# Allegro board Try it by yourself - iMX6Rex module - DIFF Pair activities.brd (continued)
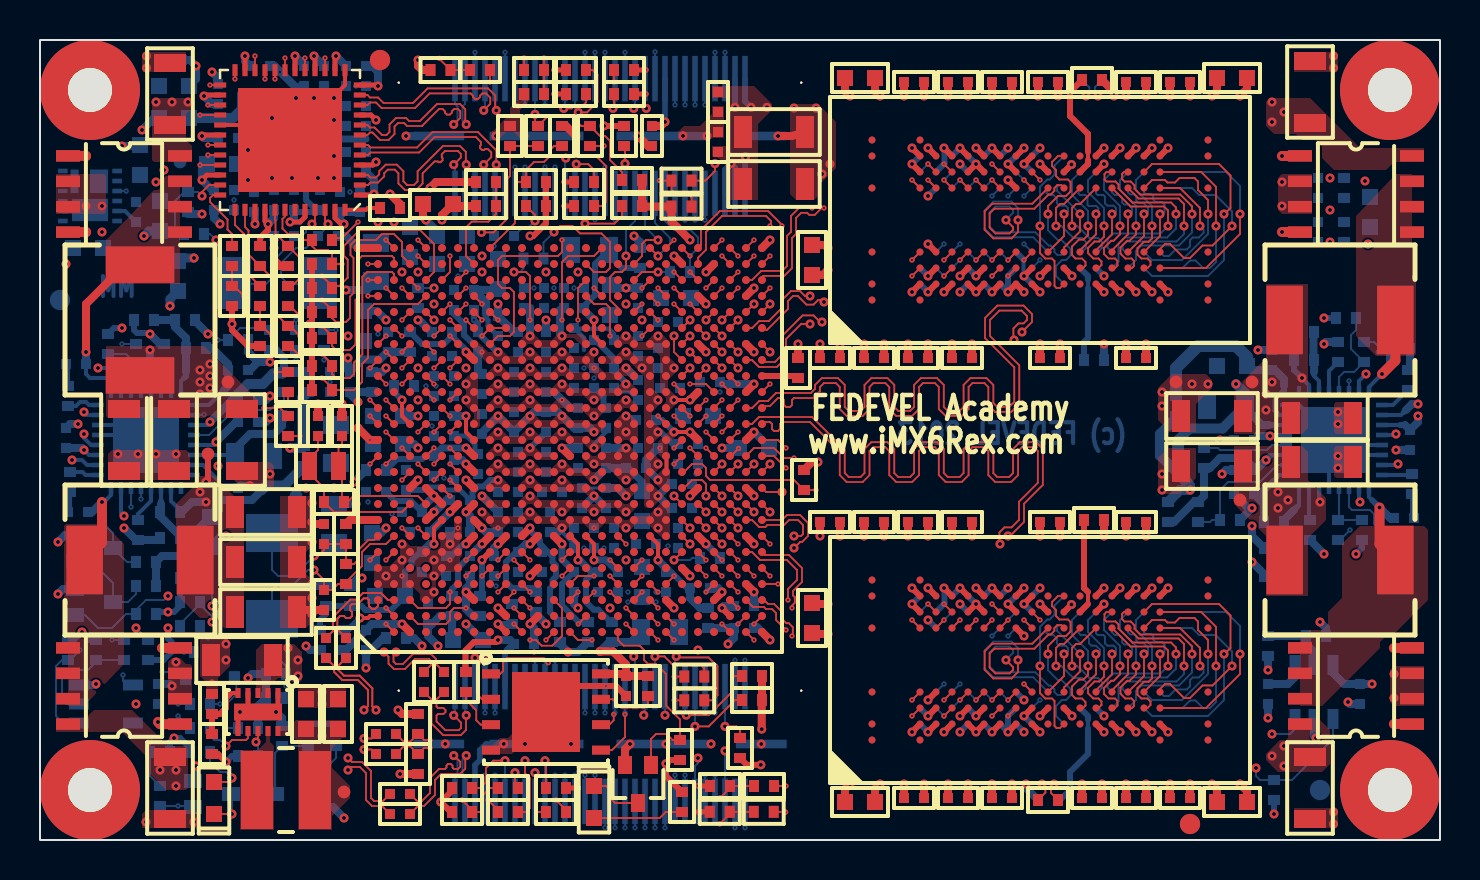
[diagram p0: board, top side]
## Routing (per net, layer and track width the routed paths; a pad name or vN(x,y) marks a point on that pad's centre or on a via; arc(x,y) is an arc through that point) (continued)
DRAM_A10: length 73.3
  TOP w0.093: U4.L7 51.2,31.8 51,31.8 50.8,31.6 v1(50.8,30.7) ; U1.AA15 v2(33.3,22) ; v1(50.8,8.7) 50.8,9.6 51,9.8 51.2,9.8 U2.L7
  L2 w0.1: v3(33,22.3) v2(33.3,22)
  L3 w0.08: v3(33,22.3) 33.7,23 33.98,23 34.4,22.59 34.7,22.59 35.51,23.4 48.7,23.4 49.1,23 49.1,21.9 48.95,21.75 48.7,21.75 48.55,21.9 48.55,22.65 48.4,22.8 48.15,22.8 48,22.65 48,21.9 47.85,21.75 47.6,21.75 47.45,21.9 47.45,22.65 47.3,22.8 45.9,22.8 45.7,22.6 45.7,22.2 45.9,22 v4(46.4,22)
  L10 w0.08: v1(50.8,30.7) 50.8,30.45 52.27,28.99 52.27,27.13 50.37,25.24 50.37,24.64 50.16,24.43 49.81,24.43 48.58,23.2 46.8,23.2 46.6,23 46.6,22.6 46.4,22.4 45.88,22.4 45.5,22.02 45.5,20.1 45.65,19.95 45.95,19.95 46.1,20.1 46.1,21.8 46.3,22 v4(46.4,22) 46.5,22 46.7,21.8 46.7,19.9 46.12,19.33 46.12,18.93 46.55,18.5 46.55,16.47 47.02,16 49.02,16 49.57,15.46 49.57,15.1 49.84,14.83 50.28,14.83 50.68,14.43 50.82,14.43 51.97,13.28 51.97,12.23 52.24,11.96 52.24,11.04 50.8,9.6 v1(50.8,8.7)
  BOTTOM w0.093: v1(50.8,8.7) 51.07,8.7 51.67,8.1 52.1,8.1 52.3,7.9 52.3,7.6 52.1,7.4 U3.L7 ; v1(50.8,30.7) 51.07,30.7 51.67,30.1 52.1,30.1 52.3,29.9 52.3,29.6 52.1,29.4 U5.L7
DRAM_A11: length 74.6
  TOP w0.093: U2.R7 55.6,11 56.25,11 56.37,10.88 56.75,10.88 56.97,11.1 57.72,11.1 57.9,10.93 57.9,10.5 58.4,10 v1(58.4,9.3) ; v1(58.4,31.3) 58.4,32 57.9,32.5 57.9,32.93 57.72,33.1 56.97,33.1 56.75,32.88 56.37,32.88 56.25,33 55.6,33 U4.R7 ; U1.AC12 34.52,19.18 v2(34.92,19.58)
  L2 w0.1: v2(34.92,19.58) v3(35.22,19.28)
  L3 w0.08: v3(35.22,19.28) 34.84,19.28 34.52,18.96 34.52,18.64 34.74,18.43 35.86,18.43 36.12,18.69 36.12,19.13 36.85,19.85 38.81,19.85 40.91,17.75 44.39,17.75 44.51,17.87 45.77,17.87 46.14,17.5 51.18,17.5 52.68,19 54.17,19 54.74,19.58 55.57,19.58 55.77,19.78 57.07,19.78 57.37,20.08 58.37,20.08 58.52,20.23 58.52,20.48 58.37,20.63 58.22,20.63 v4(58.1,20.5)
  L10 w0.08: v1(58.4,9.3) 58.4,10 59.47,11.08 59.47,18.46 59.26,18.68 58.92,18.68 58.1,19.5 v4(58.1,20.5) 58.1,20.9 58.3,21.1 58.3,22.17 58.77,22.64 58.77,22.96 58.37,23.37 58.37,23.7 59.8,25.13 59.8,29.1 58.4,30.5 v1(58.4,31.3)
  BOTTOM w0.093: v1(58.4,31.3) 58.4,30.3 57.1,29 55.6,29 U5.R7 ; U3.R7 55.6,7 57.1,7 58.4,8.3 v1(58.4,9.3)
DRAM_A12: length 74.1
  TOP w0.093: v2(37.7,19.1) 37.2,19.1 36.7,19.6 35.7,19.6 U1.AD12 ; U4.N7 54.52,31.68 56.2,31.68 56.4,31.48 v1(56.4,30.7) ; U2.N7 54.52,9.68 56.2,9.68 56.4,9.48 v1(56.4,8.7)
  L2 w0.1: v2(37.7,19.1) v3(38,18.8)
  L3 w0.08: v3(38,18.8) 38,18.4 38.32,18.08 39.1,18.08 39.28,17.9 39.28,17.63 39.49,17.41 39.95,17.41 40.61,16.75 44.52,16.75 44.84,17.08 45.44,17.08 46.01,16.5 55.1,16.5 55.3,16.7 55.3,16.9 55.2,17 55.2,17.2 55.3,17.3 55.3,17.65 55.15,17.8 54.95,17.8 54.8,17.95 54.8,18.9 55.07,19.18 55.66,19.18 55.93,18.9 56.9,18.9 57.05,19.05 57.05,19.3 56.9,19.45 56.05,19.45 v4(56,19.4)
  L10 w0.08: v1(56.4,8.7) 56.37,8.73 56.37,9.88 58.2,11.7 58.2,16 58,16.2 58,16.4 58.2,16.6 58.2,17.34 57.66,17.87 57.19,17.87 56.87,18.2 56.53,18.2 56.26,17.93 55.87,17.93 55.72,18.08 55.72,18.46 55.94,18.68 56.27,18.68 56.4,18.8 56.4,19.1 56.1,19.4 v4(56,19.4) 55.8,19.4 54.52,20.68 54.52,21.73 58.55,25.75 58.55,28.45 56.4,30.6 v1(56.4,30.7)
  BOTTOM w0.093: U5.N7 53.37,29.63 53.37,30.05 53.65,30.33 56.02,30.33 v1(56.4,30.7) ; v1(56.4,8.7) 56.02,8.33 53.65,8.33 53.37,8.05 53.37,7.63 U3.N7
DRAM_A13: length 73.5
  TOP w0.093: U1.AC17 v2(34.9,22.8) ; U2.T3 56,7.55 56.25,7.8 56.5,7.8 57.2,7.1 57.5,7.1 58.12,7.73 58.62,7.73 v1(59.6,8.7) ; v1(59.6,30.7) 58.62,29.73 58.12,29.73 57.5,29.1 57.2,29.1 56.5,29.8 56.25,29.8 56,29.55 U4.T3
  L2 w0.1: v2(34.9,22.8) v3(35.2,22.5)
  L3 w0.08: v4(59.8,20) 59.8,21.6 59.4,22 57.8,22 57.02,22.78 55.94,22.78 55.5,22.33 55.5,21.07 55.06,20.63 54.74,20.63 54.37,21 52.9,21 52.8,20.9 51.48,20.9 51.06,20.48 49.26,20.48 49.16,20.38 47.43,20.38 46.7,21.1 44.57,21.1 44.22,21.45 40.75,21.45 39.6,22.6 36.03,22.6 35.86,22.43 35.27,22.43 v3(35.2,22.5)
  L10 w0.08: v1(59.6,30.7) 60.55,29.75 60.55,24.73 60.27,24.46 60.27,23.83 60.5,23.6 60.5,21.2 60.3,21 60,21 59.8,20.8 v4(59.8,20) 59.8,19.43 60.22,19 60.22,10.43 59.6,9.8 v1(59.6,8.7)
  BOTTOM w0.093: v1(59.6,8.7) 59.6,9.43 58.78,10.25 57.95,10.25 57.6,10.6 U3.T3 ; U5.T3 57.6,32.6 57.95,32.25 58.78,32.25 59.6,31.43 v1(59.6,30.7)
DRAM_A14: length 69.7
  TOP w0.093: v1(58,8.7) 58,9.6 57,10.6 U2.T7 ; v1(58,30.7) 58,31.6 57,32.6 U4.T7 ; v2(32.5,19.6) U1.AA12
  L2 w0.1: v2(32.5,19.6) v3(32.8,19.3)
  L3 w0.08: v3(32.8,19.3) 32.7,19.2 32.7,17.53 32.87,17.36 32.87,16.23 33.07,16.03 36.06,16.03 36.26,15.83 36.74,15.83 36.91,16 55.43,16 56.67,17.25 56.67,17.7 57,18.03 57,18.6 57.25,18.85 57.25,19.25 v4(57.7,19.7)
  L10 w0.08: v1(58,30.7) 58,30.55 59.55,29 59.55,25.27 58,23.72 58,21.2 57.7,20.9 v4(57.7,19.7) 57.55,19.55 57.55,19.35 57.9,19 58.2,19 58.7,18.5 58.7,18.17 59.2,17.67 59.2,11.28 58,10.08 v1(58,8.7)
  BOTTOM w0.093: U5.T7 56.2,29.2 56.45,29.2 56.77,29.53 57.34,29.53 57.5,29.69 57.5,30 57.63,30.13 57.94,30.13 58.17,30.36 58.17,30.52 v1(58,30.7) ; v1(58,8.7) 58.17,8.53 58.17,8.36 57.94,8.13 57.63,8.13 57.5,8 57.5,7.69 57.34,7.53 56.77,7.53 56.45,7.2 56.2,7.2 U3.T7
DRAM_A15: length 71.4
  TOP w0.093: v2(31.7,18.8) U1.Y12 ; U4.M7 52,31.8 51.8,31.8 51.6,31.6 v1(51.6,30.7) ; U2.M7 52,9.8 51.8,9.8 51.6,9.6 v1(51.6,8.7)
  L2 w0.1: v2(31.7,18.8) v3(32,19.1)
  L3 w0.08: v4(47.2,18.1) 47.07,17.98 46.24,17.98 45.91,18.3 44.37,18.3 44.32,18.25 41.1,18.25 39,20.35 36.47,20.35 35.89,19.78 35.44,19.78 34.61,20.61 34.19,20.61 33.99,20.4 33.5,20.4 33.31,20.22 33.31,19.82 33.1,19.6 32.63,19.6 32.43,19.4 32.43,18.1 32.1,17.77 32.1,16.9 31.9,16.7 31.5,16.7 31.3,16.9 31.3,17.4 31.1,17.6 30.7,17.6 30.5,17.4 30.5,16.95 30.35,16.8 30.05,16.8 29.9,16.95 29.9,18 30.3,18.4 31.3,18.4 31.5,18.6 31.5,18.9 31.7,19.1 v3(32,19.1)
  L10 w0.08: v1(51.6,30.7) 51.6,30.36 52.8,29.16 52.8,26.98 51.37,25.56 51.37,24.59 51.21,24.43 50.72,24.43 50.32,24.03 50.14,24.03 48.82,22.7 47.75,22.7 47.3,22.25 47.3,19.55 47,19.25 47,18.3 v4(47.2,18.1) 47.5,18.1 47.6,18.2 47.6,19.1 47.75,19.25 48,19.25 48.15,19.1 48.15,17.15 48,17 47.8,17 47.65,16.85 47.65,16.65 47.8,16.5 49.57,16.5 50.62,15.45 50.62,15.04 50.84,14.83 51.1,14.83 52.54,13.39 52.54,12.29 52.82,12 52.82,10.82 51.6,9.6 v1(51.6,8.7)
  BOTTOM w0.093: U5.M7 52.9,29.4 53.1,29.6 53.1,29.9 52.9,30.1 52.47,30.1 51.87,30.7 v1(51.6,30.7) ; U3.M7 52.9,7.4 53.1,7.6 53.1,7.9 52.9,8.1 52.47,8.1 51.87,8.7 v1(51.6,8.7)
DRAM_CAS_B: length 70.7
  TOP w0.093: v1(52,31.3) 52,30.43 51.2,29.63 U4.K3 ; U1.AE16 v2(36.5,22.8) ; U2.K3 51.2,7.63 52,8.43 v1(52,9.3)
  L2 w0.1: v3(36.2,23.1) v2(36.5,22.8)
  L3 w0.08: v3(36.2,23.1) 36.45,23.1 36.7,22.85 36.95,22.85 37.25,23.15 37.5,23.15 37.8,22.85 38.05,22.85 38.35,23.15 38.6,23.15 38.9,22.85 39.15,22.85 39.45,23.15 39.7,23.15 39.85,23 39.85,22.65 40,22.5 40.25,22.5 40.4,22.65 40.4,23 40.55,23.15 40.8,23.15 40.95,23 40.95,21.8 41.1,21.65 41.35,21.65 41.5,21.8 41.5,23 41.65,23.15 41.9,23.15 42.05,23 42.05,21.8 42.2,21.65 42.45,21.65 42.6,21.8 42.6,23 42.75,23.15 43,23.15 43.15,23 43.15,21.8 43.3,21.65 43.55,21.65 43.7,21.8 43.7,23 43.85,23.15 44.1,23.15 44.25,23 44.25,22.05 44.4,21.9 44.65,21.9 44.8,22.05 44.8,23 44.95,23.15 45.2,23.15 45.35,23 45.35,21.78 45.5,21.63 47.37,21.63 47.5,21.5 48.7,21.5 48.85,21.35 48.85,21.05 48.7,20.9 47.8,20.9 v4(47.7,21)
  L10 w0.08: v1(52,9.3) 52,9.6 53.57,11.17 53.57,11.96 53.33,12.2 53.07,12.2 52.82,12.44 52.82,13.45 51.37,14.9 51.37,15.36 51.16,15.58 50.85,15.58 49.68,16.75 48.9,16.75 48.4,17.25 48.4,19.2 48.15,19.45 47.85,19.45 47.7,19.6 47.7,19.85 47.85,20 48.2,20 48.35,20.15 48.35,20.4 48.2,20.55 47.9,20.55 47.7,20.75 v4(47.7,21) 47.7,22.3 47.85,22.45 48.1,22.45 48.25,22.3 48.25,21.35 48.4,21.2 48.65,21.2 48.8,21.35 48.8,22.35 50.27,23.83 50.4,23.83 50.73,24.15 51.26,24.15 51.62,24.51 51.62,25.48 53.17,27.03 53.36,27.03 53.57,27.24 53.57,28.36 53.13,28.8 53.13,29.17 52,30.3 v1(52,31.3)
  BOTTOM w0.093: U3.K3 51.07,10.73 50.92,10.73 50.85,10.65 50.85,10.46 52,9.31 v1(52,9.3) ; v1(52,31.3) 52,31.31 50.85,32.46 50.85,32.65 50.92,32.73 51.07,32.73 U5.K3
DRAM_CLK0_N: length 64.3
  TOP w0.09: v1(48.3,31) 48.3,30.99 48.65,30.64 48.65,30.5 48.48,30.33 47.77,30.33 47.48,30.62 47.48,31.33 47.72,31.56 49.72,31.56 50.43,32.28 50.54,32.28 50.72,32.46 50.72,32.6 50.87,32.75 51.05,32.75 U4.K7 ; v1(48.7,25) 48.67,25.03 48.67,25.58 48.92,25.83 49.18,25.83 49.35,26 49.35,26.2 49.07,26.47 47.97,26.47 47.5,26 47.5,25.2 48.96,23.74 48.96,21.81 48.56,21.4 47.86,21.4 47.76,21.4 47.42,21.75 47.42,22.65 47.22,22.85 46.62,22.85 46.43,22.65 46.43,21.55 46.08,21.2 45.28,21.2 44.94,21.55 44.94,22.65 44.74,22.85 44.15,22.85 43.95,22.65 43.95,21.55 43.61,21.2 42.81,21.2 42.46,21.55 42.46,22.65 42.27,22.85 41.67,22.85 41.48,22.65 41.48,21.55 41.13,21.2 40.33,21.2 39.99,21.55 39.99,22.65 39.79,22.85 39.2,22.85 39,22.65 39,22.45 38.65,22.1 37.7,22.1 37.6,22 37.6,21.75 37.5,21.65 37.3,21.65 37.2,21.75 37.2,22 37.1,22.1 36.9,22.1 36.5,21.7 36.2,21.7 U1.AE15
  L10 w0.085: v1(52.3,37.2) 52.3,36.2 50.49,34.39 50.49,32.59 49.9,32 49.1,32 48.3,31.2 v1(48.3,31) 48.3,30.42 50.37,28.35 50.37,27.25 50.12,27 49.3,27 48.22,25.92 48.22,25.48 v1(48.7,25)
  BOTTOM w0.09: v1(52.3,37.2) 52.3,37.21 52.47,37.38 52.47,37.63 R2.1 ; 51.05,29.25 U5.K7 51.05,29.25 ; 51.05,29.25 50.87,29.25 50.72,29.4 50.72,29.54 50.54,29.72 50.43,29.72 49.77,30.39 47.77,30.39 47.48,30.67 47.48,31.38 47.77,31.67 48.48,31.67 48.65,31.5 48.65,31.36 48.3,31.01 v1(48.3,31)
DRAM_CLK0_P: length 64.1
  TOP w0.09: v1(49.1,25.4) 49.6,25.9 49.6,26.3 49.18,26.72 47.87,26.72 47.25,26.1 47.25,25.1 48.71,23.63 48.71,21.91 48.46,21.65 47.86,21.65 47.67,21.85 47.67,22.75 47.32,23.1 46.52,23.1 46.18,22.75 46.18,21.65 45.98,21.45 45.39,21.45 45.19,21.65 45.19,22.75 44.85,23.1 44.04,23.1 43.7,22.75 43.7,21.65 43.51,21.45 42.91,21.45 42.71,21.65 42.71,22.75 42.37,23.1 41.57,23.1 41.23,22.75 41.23,21.65 41.03,21.45 40.43,21.45 40.24,21.65 40.24,22.75 39.9,23.1 39.09,23.1 38.75,22.75 38.75,22.55 38.55,22.35 36.8,22.35 36.4,21.95 35.96,21.95 35.61,21.6 U1.AD15 ; U4.J7 49.61,31.81 47.61,31.81 47.23,31.43 47.23,30.52 47.67,30.08 48.58,30.08 48.9,30.4 v1(48.9,31)
  L10 w0.085: v1(52.9,37.2) 52.9,37 52.58,36.68 52.58,36.08 50.77,34.27 50.77,32.47 50.02,31.72 49.22,31.72 48.9,31.4 v1(48.9,31) 48.9,30.95 48.58,30.63 48.58,30.54 50.65,28.47 50.65,27.13 50.24,26.72 49.42,26.72 48.5,25.8 48.5,25.6 48.63,25.46 49.04,25.46 v1(49.1,25.4)
  BOTTOM w0.09: v1(52.9,37.2) 52.75,37.35 52.75,37.65 R2.2 ; v1(48.9,31) 48.9,31.6 48.58,31.92 47.67,31.92 47.23,31.48 47.23,30.57 47.66,30.14 49.66,30.14 U5.J7
DRAM_CLK1_N: length 64.1
  TOP w0.09: U1.AE14 36.2,20.9 36.5,20.9 36.6,20.8 36.6,20.55 36.7,20.45 36.9,20.45 37,20.55 37,20.8 37.1,20.9 38.5,20.9 39.99,19.41 39.99,18.24 40.33,17.9 41.13,17.9 41.48,18.24 41.48,19.45 41.67,19.64 42.27,19.64 42.46,19.45 42.46,18.24 42.81,17.9 43.61,17.9 43.95,18.24 43.95,19.45 44.15,19.64 44.74,19.64 44.94,19.45 44.94,18.24 45.28,17.9 46.08,17.9 46.43,18.24 46.43,19.45 46.62,19.64 47.22,19.64 47.42,19.45 47.42,18.24 47.76,17.9 48.56,17.9 48.9,18.24 48.9,19.45 49.1,19.64 49.7,19.64 49.89,19.45 49.89,17.86 48.95,16.92 48.95,16 48.58,15.63 48.22,15.63 47.97,15.38 47.97,14.83 v1(48,14.8) ; v1(50.1,2.8) 50.1,2.79 50.27,2.62 50.27,2.37 R3.1 ; v1(48.3,9) 48.3,8.99 48.65,8.64 48.65,8.5 48.48,8.33 47.77,8.33 47.48,8.62 47.48,9.33 47.72,9.56 49.72,9.56 50.43,10.28 50.54,10.28 50.72,10.46 50.72,10.6 50.87,10.75 51.05,10.75 U2.K7
  L10 w0.085: v1(48,14.8) 48.06,14.74 48.47,14.74 48.6,14.6 48.6,14.2 49.83,12.97 50.15,12.97 50.37,12.75 50.37,11.26 49.57,10.46 49.57,10.05 49.25,9.73 48.94,9.73 48.3,9.09 v1(48.3,9) 48.3,8.92 48.52,8.7 48.52,8.48 49.1,7.9 50.3,7.9 50.92,7.28 50.92,4.62 50.22,3.92 50.22,2.92 v1(50.1,2.8)
  BOTTOM w0.09: v1(48.3,9) 48.3,9.01 48.65,9.36 48.65,9.5 48.48,9.67 47.77,9.67 47.48,9.38 47.48,8.67 47.77,8.39 49.77,8.39 50.43,7.72 50.54,7.72 50.72,7.54 50.72,7.4 50.87,7.25 51.05,7.25 U3.K7
DRAM_CLK1_P: length 64
  TOP w0.09: v1(50.7,2.8) 50.55,2.65 50.55,2.35 R3.2 ; U2.J7 49.61,9.81 47.61,9.81 47.23,9.43 47.23,8.52 47.67,8.08 48.58,8.08 48.9,8.4 v1(48.9,9) ; U1.AD14 35.6,20.8 35.95,21.15 38.6,21.15 40.24,19.52 40.24,18.35 40.43,18.15 41.03,18.15 41.23,18.35 41.23,19.55 41.57,19.89 42.37,19.89 42.71,19.55 42.71,18.35 42.91,18.15 43.51,18.15 43.7,18.35 43.7,19.55 44.04,19.89 44.85,19.89 45.19,19.55 45.19,18.35 45.39,18.15 45.98,18.15 46.18,18.35 46.18,19.55 46.52,19.89 47.32,19.89 47.67,19.55 47.67,18.35 47.86,18.15 48.46,18.15 48.65,18.35 48.65,19.55 49,19.89 49.8,19.89 50.14,19.55 50.14,17.76 49.2,16.81 49.2,15.9 48.5,15.2 v1(48.4,15.2)
  L10 w0.085: v1(50.7,2.8) 50.5,3 50.5,3.8 51.2,4.5 51.2,7.4 50.41,8.18 49.22,8.18 48.8,8.6 48.8,8.9 v1(48.9,9) 48.9,9.29 49.06,9.45 49.37,9.45 49.85,9.93 49.85,10.35 50.65,11.15 50.65,12.87 50.27,13.25 49.95,13.25 48.88,14.32 48.88,14.72 v1(48.4,15.2)
  BOTTOM w0.09: U3.J7 49.66,8.14 47.66,8.14 47.23,8.57 47.23,9.48 47.67,9.92 48.58,9.92 48.9,9.6 v1(48.9,9)
DRAM_CS0_B: length 73.8
  TOP w0.093: v2(31.7,22.8) U1.Y16 ; U2.L2 52.15,6.6 52.27,6.73 52.27,6.9 52.1,7.08 51.77,7.08 51.6,7.25 51.6,7.68 51.95,8.02 52.17,8.02 52.4,8.25 v1(52.4,8.7) ; v1(52.4,30.7) 52.4,30.25 52.17,30.02 51.95,30.02 51.6,29.68 51.6,29.25 51.77,29.08 52.1,29.08 52.27,28.9 52.27,28.73 52.15,28.6 U4.L2
  L2 w0.1: v3(31.4,22.5) v2(31.7,22.8)
  L3 w0.08: v4(50,21.3) 50.1,21.4 50.35,21.4 50.5,21.55 50.5,21.8 50.35,21.95 50,21.95 49.85,22.1 49.85,22.35 50,22.5 50.4,22.5 50.55,22.65 50.55,22.9 50.4,23.05 50,23.05 49.85,23.2 49.85,23.45 50,23.6 50.4,23.6 50.55,23.75 50.55,24 50.4,24.15 37.28,24.15 36.66,24.78 33.14,24.78 32.9,24.53 32.9,23.3 32.41,22.82 31.71,22.82 v3(31.4,22.5)
  L10 w0.08: v1(52.4,8.7) 52.4,9.6 53.8,11 53.8,12.2 53.62,12.38 53.62,13 51.62,15 51.62,15.39 51.24,15.78 51,15.78 49.77,17 49.1,17 48.65,17.45 48.65,20.5 49.15,21 49.9,21 50,21.1 v4(50,21.3) 50,21.45 49.9,21.55 49.2,21.55 49.05,21.7 49.05,21.95 49.2,22.1 50.35,22.1 50.5,22.25 50.5,22.5 50.35,22.65 50,22.65 49.85,22.8 49.85,22.99 50.76,23.9 51.35,23.9 51.87,24.43 51.87,25.26 53.64,27.03 54.16,27.03 54.37,27.24 54.37,27.56 54.59,27.78 54.75,27.78 54.9,27.93 54.9,28.18 54.75,28.33 54.47,28.33 54.25,28.1 54,28.1 53.85,28.25 53.85,29.23 53.39,29.69 52.91,29.69 52.74,29.86 52.74,30.34 52.4,30.68 v1(52.4,30.7)
  BOTTOM w0.093: v1(52.4,8.7) 52.4,9.45 51.6,10.25 51.6,11 U3.L2 ; U5.L2 51.6,33 51.6,32.25 52.4,31.45 v1(52.4,30.7)
DRAM_D0: length 17.3
  TOP w0.093: v3(46.4,10.6) v2(46.8,11) ; v2(34.9,10.8) U1.AD2
  L2 w0.1: v3(46.4,10.6) v2(46.8,11) ; v2(34.9,10.8) v3(35.2,11.1)
  L3 w0.08: v3(46.4,10.6) 46.1,10.9 45.5,10.9 45.2,11.2 45.2,11.4 44.9,11.7 44.29,11.7 44.01,11.43 43.44,11.43 43.22,11.64 43.22,11.98 43,12.2 43,12.65 42.61,13.04 39.66,13.04 39.25,12.63 37.15,12.63 36.8,12.98 35.47,12.98 35,12.51 35,11.3 v3(35.2,11.1)
DRAM_D1: length 17.3
  TOP w0.093: v2(35.7,10.8) U1.AE2 ; v2(44.4,11.8) v3(44.8,11.4)
  L2 w0.1: v2(35.7,10.8) v3(36,11.1) ; v2(44.4,11.8) v3(44.8,11.4)
  L3 w0.08: v3(44.8,11.4) 44.7,11.5 44.37,11.5 44.03,11.16 43.34,11.16 42.8,11.7 42.8,12.52 42.53,12.79 40.88,12.79 40.7,12.6 40.5,12.6 40.31,12.79 39.8,12.79 39.38,12.37 37.14,12.37 36.72,12.79 35.55,12.79 35.22,12.46 35.22,12.17 35.4,12 35.97,12 36.1,11.87 36.1,11.62 35.98,11.5 35.6,11.5 35.48,11.39 35.48,10.92 35.7,10.7 35.9,10.7 36,10.8 v3(36,11.1)
DRAM_D2: length 17.3
  TOP w0.093: U1.AC4 v2(34.9,12.4) ; v2(45.2,11.8) v3(45.6,11.4)
  L2 w0.1: v2(45.2,11.8) v3(45.6,11.4) ; v3(34.6,12.1) v2(34.9,12.4)
  L3 w0.08: v3(45.6,11.4) 46.13,11.4 46.42,11.69 46.42,11.98 46.2,12.2 45.8,12.2 45.55,11.95 44,11.95 43.75,12.2 43.4,12.2 43.2,12.4 43.2,13 42.9,13.3 39.6,13.3 39.2,12.9 37.17,12.9 36.88,13.19 35.16,13.19 34.6,12.62 v3(34.6,12.1)
DRAM_D3: length 17.3
  TOP w0.093: U1.AA5 v2(33.3,13.2) ; v2(43.6,7) U2.A3
  L2 w0.1: v3(43.2,6.6) v2(43.6,7) ; v2(33.3,13.2) v3(33.6,12.9)
  L3 w0.08: v3(43.2,6.6) 43.3,6.5 43.3,6.1 42.9,5.7 39.2,5.7 38.5,6.4 37.78,6.4 37,7.18 37,7.74 34.97,9.77 34.97,10.04 34.7,10.31 34.7,10.6 34.52,10.79 34.1,10.79 33.31,11.57 33.31,12.22 33.6,12.5 v3(33.6,12.9)
DRAM_D4: length 17.3
  TOP w0.093: v2(45.2,6.2) v3(45.6,6.6) ; v2(34.1,10.8) U1.AC1
  L2 w0.1: v2(34.1,10.8) v3(34.4,10.5) ; v2(45.2,6.2) v3(45.6,6.6)
  L3 w0.08: v3(45.6,6.6) 45.6,6.7 45.5,6.8 44.9,6.8 44.77,6.68 44.77,5.98 44.57,5.78 44.12,5.78 43.9,6 43.67,6 43.07,5.4 39.1,5.4 38.4,6.1 37.8,6.1 36.7,7.2 36.7,7.67 34.77,9.59 34.77,9.96 34.4,10.33 v3(34.4,10.5)
DRAM_D5: length 17.3
  TOP w0.093: v2(45.2,7) v3(45.6,7.4) ; U1.AD1 v2(35.7,10)
  L2 w0.1: v3(35.4,10.3) v2(35.7,10) ; v2(45.2,7) v3(45.6,7.4)
  L3 w0.08: v3(35.4,10.3) 35.4,10.2 36.9,8.7 38.61,8.7 39.3,8.01 39.3,6.6 39.6,6.3 39.9,6.3 40.05,6.45 40.05,6.65 40.2,6.8 40.5,6.8 40.65,6.65 40.65,6.35 40.8,6.2 41.1,6.2 41.25,6.35 41.25,6.65 41.4,6.8 41.7,6.8 41.85,6.65 41.85,6.35 42,6.2 42.2,6.2 42.35,6.35 42.35,6.55 43.1,7.3 44.17,7.3 44.24,7.38 44.56,7.38 44.88,7.05 45.25,7.05 v3(45.6,7.4)
DRAM_D6: length 17.3
  TOP w0.093: v2(43.6,6.2) v3(44,6.6) ; v2(33.3,12.4) U1.AB4
  L2 w0.1: v2(43.6,6.2) v3(44,6.6) ; v2(33.3,12.4) v3(33.6,12.1)
  L3 w0.08: v3(44,6.6) 43.6,7 43.2,7 42.8,6.6 42.8,6.17 42.57,5.95 39.45,5.95 39,6.4 39,7.9 38.5,8.4 36.8,8.4 35.17,10.03 35.17,10.12 34.9,10.4 34.9,10.69 34.6,10.98 34.4,10.98 34.16,11.23 33.94,11.23 33.6,11.57 v3(33.6,12.1)
DRAM_D7: length 17.3
  TOP w0.093: v2(43.6,11) v3(44,10.6) ; U1.AE4 v2(36.9,12.8)
  L2 w0.1: v3(36.6,12.5) v2(36.9,12.8) ; v2(43.6,11) v3(44,10.6)
  L3 w0.08: v3(36.6,12.5) 36.28,12.5 36.12,12.35 36.12,12.17 36.25,12.05 38.85,12.05 39,11.9 39,11.67 39.24,11.43 39.56,11.43 39.8,11.67 39.8,12.4 39.95,12.55 40.2,12.55 40.35,12.4 40.35,11.57 40.5,11.42 40.75,11.42 40.9,11.57 40.9,12.4 41.05,12.55 41.3,12.55 41.45,12.4 41.45,11.67 41.6,11.52 41.85,11.52 42,11.67 42,12.43 42.15,12.58 42.4,12.58 42.55,12.43 42.55,11.45 43.1,10.9 43.7,10.9 v3(44,10.6)
DRAM_D8: length 27.6
  TOP w0.093: v2(46.8,7) v3(47.2,7.4) ; U1.AD5 v2(35.7,13.2)
  L2 w0.1: v2(46.8,7) v3(47.2,7.4) ; v3(35.4,13.5) v2(35.7,13.2)
  L3 w0.08: v3(35.4,13.5) 35,13.5 34.5,13 34.08,13 33.9,13.19 33.48,13.19 33.3,13 33.3,12.7 33,12.4 33,11.1 34.02,10.08 34.02,9.38 38.7,4.7 44.6,4.7 44.8,4.9 44.8,5.6 45,5.8 45.4,5.8 45.6,5.6 45.6,5.1 45.84,4.86 46.16,4.86 46.4,5.1 46.4,6.4 46.6,6.6 47,6.6 47.2,6.8 v3(47.2,7.4)
DRAM_D9: length 27.6
  TOP w0.093: U1.AE5 v2(36.5,13.2) ; v3(48,10.6) v2(48.4,11)
  L2 w0.1: v3(36.2,13.5) v2(36.5,13.2) ; v3(48,10.6) v2(48.4,11)
  L3 w0.08: v3(48,10.6) 48,11 48.1,11.1 48.5,11.1 48.7,10.9 48.7,10.5 48.51,10.32 47.03,10.32 46.8,10.54 46.8,10.69 46.55,10.94 46.55,11.25 46.7,11.4 47.1,11.4 47.22,11.52 47.22,13.58 47.05,13.75 46.85,13.75 46.7,13.6 46.7,13.08 46.55,12.93 46.3,12.93 46.15,13.08 46.15,13.6 46,13.75 45.75,13.75 45.6,13.6 45.6,12.4 45.4,12.2 45,12.2 44.8,12.4 44.8,13.6 44.65,13.75 44.4,13.75 44.25,13.6 44.25,13.08 44.1,12.93 43.85,12.93 43.7,13.08 43.7,13.6 43.5,13.8 39.2,13.8 38.7,13.3 37.2,13.3 36.9,13.6 36.7,13.6 36.3,14 35.9,14 35.75,13.85 35.75,13.65 35.9,13.5 v3(36.2,13.5)
DRAM_D10: length 27.6
  TOP w0.093: v2(48.4,6.2) U2.G2 ; U1.AA6 v2(33.3,14)
  L2 w0.1: v2(48.4,6.2) v3(48.8,5.8) ; v3(33,14.3) v2(33.3,14)
  L3 w0.08: v3(33,14.3) 32.12,13.43 32.12,10.43 32.3,10.25 32.68,10.25 33.27,9.66 33.27,8.93 38.3,3.9 48,3.9 48.4,4.3 48.4,4.85 48.8,5.25 v3(48.8,5.8)
DRAM_D11: length 27.6
  TOP w0.093: v2(49.2,11) v3(49.6,10.6) ; U1.AE7 v2(36.5,14.8)
  L2 w0.1: v2(36.5,14.8) v3(36.8,15.1) ; v2(49.2,11) v3(49.6,10.6)
  L3 w0.08: v3(36.8,15.1) 36.8,14.97 37.54,14.23 38.06,14.23 38.63,14.8 47.37,14.8 47.77,14.4 48.13,14.4 48.53,14.8 52,14.8 52.8,14 52.8,12 52.6,11.8 52.1,11.8 51.95,11.65 51.95,11.35 52.1,11.2 52.8,11.2 52.95,11.05 52.95,10.75 52.8,10.6 v3(49.6,10.6)
DRAM_D12: length 27.6
  TOP w0.093: v2(49.2,7.8) v3(49.6,7.4) ; U1.AB5 v2(34.1,13.2)
  L2 w0.1: v3(33.8,13.5) v2(34.1,13.2) ; v2(49.2,7.8) v3(49.6,7.4)
  L3 w0.08: v3(33.8,13.5) 33.46,13.5 33.07,13.11 33.07,12.87 32.71,12.5 32.71,10.99 33.76,9.94 33.76,9.23 38.56,4.43 46.36,4.43 47.17,5.24 47.17,6.18 47.88,6.89 48.31,6.89 48.57,6.63 49.36,6.63 49.6,6.87 v3(49.6,7.4)
DRAM_D13: length 27.6
  TOP w0.093: v2(47.6,6.2) v3(48,6.6) ; U1.AC5 v2(34.9,13.2)
  L2 w0.1: v2(47.6,6.2) v3(48,6.6) ; v3(34.6,13.5) v2(34.9,13.2)
  L3 w0.08: v3(48,6.6) 48,5.27 47.6,4.87 47.6,4.4 47.37,4.17 38.45,4.17 33.5,9.12 33.5,9.83 32.42,10.92 32.42,12.59 32.87,13.04 32.87,13.29 33.37,13.79 34.08,13.79 34.37,13.5 v3(34.6,13.5)
DRAM_D14: length 27.6
  TOP w0.093: U1.AB6 v2(34.1,14) ; v2(47.6,11.8) v3(48,11.4)
  L2 w0.1: v3(33.8,14.3) v2(34.1,14) ; v2(47.6,11.8) v3(48,11.4)
  L3 w0.08: v3(33.8,14.3) 34.13,14.3 34.43,14.6 34.7,14.6 34.88,14.42 34.88,14.32 34.98,14.22 35.32,14.22 35.53,14.43 36.57,14.43 37,14 37.13,14 37.37,13.76 38.36,13.76 38.9,14.3 47.23,14.3 47.66,13.87 48.37,13.87 48.8,14.3 51.51,14.3 51.95,13.87 51.95,13.3 51.74,13.1 51.4,13.1 51.2,12.9 51.2,12.5 50.92,12.23 48.29,12.23 48,11.93 v3(48,11.4)
DRAM_D15: length 27.6
  TOP w0.093: v3(49.6,11.4) v2(50,11) ; U1.AC7 v2(34.9,14.8)
  L2 w0.1: v2(34.9,14.8) v3(35.2,14.5) ; v3(49.6,11.4) v2(50,11)
  L3 w0.08: v3(49.6,11.4) 50.4,11.4 50.6,11.2 50.6,11 50.75,10.85 51.05,10.85 51.2,11 51.2,12.1 51.5,12.4 51.8,12.4 52.1,12.1 52.3,12.1 52.5,12.3 52.5,13.9 51.85,14.55 48.65,14.55 48.23,14.13 47.72,14.13 47.3,14.55 38.75,14.55 38.19,13.99 37.42,13.99 36.72,14.7 36.37,14.7 35.89,15.17 35.52,15.17 35.2,14.85 v3(35.2,14.5)
DRAM_D16: length 28.5
  TOP w0.093: U1.AB7 v1(34.1,14.8)
  L10 w0.08: v1(34.1,14.8) 34.1,15 33.72,15.38 33.72,16.51 33.46,16.78 33.19,16.78 32.93,17.04 32.93,17.45 33.07,17.6 33.7,17.6 33.85,17.75 33.85,18 33.7,18.15 32.55,18.15 32.4,18.3 32.4,18.55 32.55,18.7 33.45,18.7 33.97,19.23 34.26,19.23 34.41,19.39 37.04,19.39 37.15,19.28 39.22,19.28 39.54,18.95 39.54,18.43 39.94,18.04 41.24,18.04 43.77,15.5 43.77,14.93 44.11,14.59 44.91,14.59 46.37,13.13 46.37,11.43 v5(47.2,10.6)
  L11 w0.1: v6(47.6,11) v5(47.2,10.6)
  BOTTOM w0.093: v5(47.2,10.6) v6(47.6,11)
DRAM_D17: length 28.6
  TOP w0.093: U1.AA8 v1(33.3,15.6)
  L10 w0.08: v5(48,5.8) 48.53,5.8 48.77,5.56 48.77,5.24 48.53,5 47.7,5 47.55,4.85 47.55,4.55 47.7,4.4 47.9,4.4 48.05,4.25 48.05,3.85 47.7,3.5 40.2,3.5 36.8,6.9 36.8,8.88 35.9,9.78 35.9,10.5 34.67,11.73 34.67,13.21 33.7,14.18 33.7,14.94 33.52,15.12 33.52,15.38 v1(33.3,15.6)
  L11 w0.1: v6(47.6,6.2) v5(48,5.8)
  BOTTOM w0.093: v6(47.6,6.2) U3.F8
DRAM_D18: length 28.5
  TOP w0.093: U1.AB9 v1(34.1,16.4)
  L10 w0.08: v1(34.1,16.4) 34.1,16.13 34.47,15.76 34.47,15.4 34.7,15.18 34.7,14.45 34.55,14.3 34.55,14 35.1,13.45 35.1,11.93 39.39,7.64 39.39,6.91 39.6,6.7 39.6,4.9 40.25,4.25 40.55,4.25 40.7,4.4 40.7,4.6 40.85,4.75 41.15,4.75 41.3,4.6 41.3,4.27 41.47,4.1 45.7,4.1 46.4,4.8 46.4,5.53 46.69,5.82 46.96,5.82 47.17,6.04 47.17,6.18 48,7 48.67,7 49.07,7.4 v5(49.6,7.4)
  L11 w0.1: v6(49.2,7.8) v5(49.6,7.4)
  BOTTOM w0.093: v6(49.2,7.8) v5(49.6,7.4)
DRAM_D19: length 28.5
  TOP w0.093: v1(31.7,17.2) U1.Y9
  L10 w0.08: v5(49.6,11.4) 49.3,11.4 48.9,11 47.8,11 47.6,11.2 47.6,11.6 48.02,12.03 48.02,12.76 47.5,13.28 47.5,13.7 47.3,13.9 47.1,13.9 46.89,13.69 46.69,13.69 46.49,13.89 46.49,14.09 46.6,14.2 46.6,14.4 46.4,14.6 45.67,14.6 44.94,15.33 44.8,15.33 40.35,19.78 35.42,19.78 35.12,20.08 34.72,20.08 34.62,20.18 33.33,20.18 32.86,19.7 31.9,19.7 31.7,19.5 v1(31.7,17.2)
  L11 w0.1: v6(49.2,11) v5(49.6,11.4)
  BOTTOM w0.093: v6(49.2,11) U3.H3
DRAM_D20: length 28.5
  TOP w0.093: U1.Y7 v1(32.5,14.8)
  L10 w0.08: v1(32.5,14.8) 32.71,14.8 34.47,13.03 34.47,11.64 35.7,10.42 35.7,9.7 36.5,8.9 36.5,6.8 40.1,3.2 48,3.2 49,4.2 49,4.5 49.6,5.1 v5(49.6,6.6)
  L11 w0.1: v5(49.6,6.6) v6(50,7)
  BOTTOM w0.093: v5(49.6,6.6) v6(50,7)
DRAM_D21: length 28.6
  TOP w0.093: U1.Y8 v1(32.5,15.6)
  L10 w0.08: v1(32.5,15.6) 32.5,15.73 31.3,16.93 31.3,19.5 31.8,20 32.88,20 33.25,20.38 35.19,20.38 35.54,20.03 40.47,20.03 44.92,15.58 45.86,15.58 46.1,15.33 46.1,15.15 46.42,14.83 46.71,14.83 48.8,12.73 v5(48.8,11.4)
  L11 w0.1: v6(48.4,11) v5(48.8,11.4)
  BOTTOM w0.093: v5(48.8,11.4) v6(48.4,11)
DRAM_D22: length 28.5
  TOP w0.093: U1.AC8 v1(34.9,15.6)
  L10 w0.08: v1(34.9,15.6) 34.9,14.2 35.3,13.8 35.3,12.1 39.7,7.7 39.7,7.1 39.9,6.9 39.9,5 40.05,4.85 40.35,4.85 40.8,5.3 41.6,5.3 41.75,5.15 41.75,4.55 41.9,4.4 42.15,4.4 42.3,4.55 42.3,5.15 42.45,5.3 42.7,5.3 42.85,5.15 42.85,4.55 43,4.4 43.25,4.4 43.4,4.55 43.4,4.85 43.55,5 43.8,5 43.95,4.85 43.95,4.55 44.1,4.4 44.35,4.4 44.5,4.55 44.5,4.85 44.65,5 44.9,5 45.05,4.85 45.05,4.55 45.2,4.4 45.42,4.4 45.57,4.55 45.57,5.51 45.89,5.82 46.16,5.82 46.42,6.09 46.42,6.36 46.67,6.6 47.1,6.6 47.7,7.2 47.8,7.2 v5(48,7.4)
  L11 w0.1: v5(48,7.4) v6(48.4,7)
  BOTTOM w0.093: v5(48,7.4) v6(48.4,7)
DRAM_D23: length 28.6
  TOP w0.093: U1.AA9 v1(33.3,16.4)
  L10 w0.08: v1(33.3,16.4) 33.3,16.1 33.2,16 32.6,16 32.12,16.48 32.12,17.5 32,17.63 32,19.2 32.2,19.4 32.5,19.4 32.8,19.1 33.3,19.1 33.5,19.3 33.5,19.78 33.7,19.98 34.4,19.98 34.6,19.78 35.12,19.78 35.31,19.58 37.12,19.58 37.18,19.52 40.24,19.52 40.55,19.21 40.55,19.01 40.38,18.84 40.01,18.84 39.86,18.69 39.86,18.44 40.03,18.26 41.38,18.26 44.02,15.62 44.02,15.04 44.24,14.83 45.11,14.83 47.2,12.73 v5(47.2,11.4)
  L11 w0.1: v5(47.2,11.4) v6(47.6,11.8)
  BOTTOM w0.093: v6(47.6,11.8) U3.F2
